# Altium PCB PCB.pcbdoc (part 6 of 6) (continued)
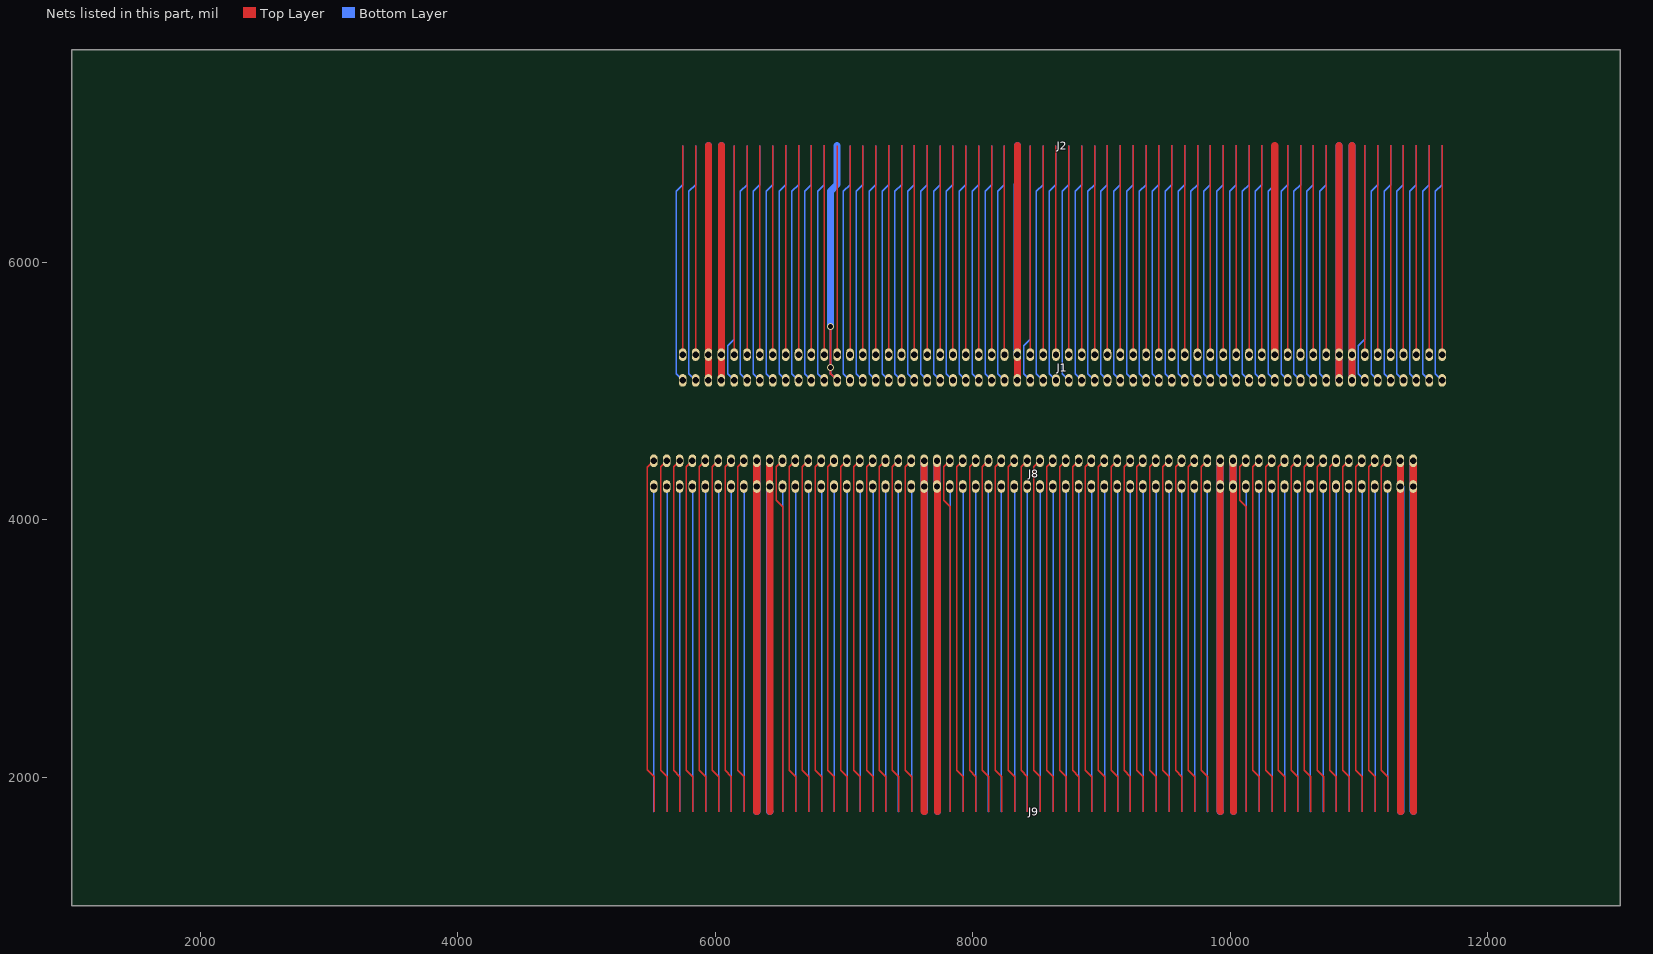
[diagram p6: the nets of this part, all layers, seen from the top]
## Nets (pads, with @x,y where several pads share a name; then routed paths per layer and width w, separated by ;. In a path a pad name is that pad's centre, name@x,y a point inside that pad or via, vN(x,y) a via of type N, cw(c..) or ccw(c..) an arc to the next point about the centre after c; other vN are vias at no path point) (continued)
EDGE_59: J1.59 J2.59 | length 1624.5
  Top Layer w10: J2.59@8746.22,6907.75 8746.22,5283.38 J1.59@8746.31,5283.28
EDGE_60: J1.60 J2.60 | length 1867.1
  Bottom Layer w10: 8746.1,6907.97 8746.1,6604.27 8695,6553.17 8695,5134.57 J1.60@8746.31,5083.28
EDGE_61: J1.61 J2.61 | length 1624.5
  Top Layer w10: J2.61@8646.22,6907.75 8646.23,5283.36 J1.61@8646.31,5283.28
EDGE_62: J1.62 J2.62 | length 1867.2
  Bottom Layer w10: 8646.2,6907.97 8646.2,6604.27 8595,6553.17 8595,5134.57 J1.62@8646.31,5083.28
EDGE_63: J1.63 J2.63 | length 1624.8
  Top Layer w10: J2.63@8546.25,6908.07 J1.63@8546.31,5283.28 J1.63@8546.31,5283.28
EDGE_64: J1.64 J2.64 | length 1867.5
  Bottom Layer w10: 8546.2,6908.27 8546.2,6604.37 8495,6553.17 8495,5134.57 J1.64@8546.31,5083.28
EDGE_65: J1.65 J2.65 | length 1624.8
  Top Layer w10: 8446.25,6908.07 8446.25,5283.35 J1.65@8446.31,5283.28
EDGE_66: J1.66 J2.66 | length 1867.5
  Bottom Layer w10: 8446.2,6908.27 8446.2,5404.37 8395,5353.17 8395,5134.57 J1.66@8446.31,5083.28
EDGE_68: J1.67 J1.68 J2.67 J2.68 | length 3650.8
  Top Layer w55.12: J1.68@8346.31,5083.28 J1.67@8346.31,5283.28 ; J1.67@8346.31,5283.28 J2.67@8346.25,6908.07
  Bottom Layer w55.12: 8346.2,6908.27 8346.2,6604.37 8345,6603.17 8345,5284.57 J1.67@8346.31,5283.28 ; J1.68@8346.31,5083.28 J1.67@8346.31,5283.28
EDGE_69: J1.69 J2.69 | length 1624.8
  Top Layer w10: J2.69@8246.25,6908.07 J1.69@8246.31,5283.28 J1.69@8246.31,5283.28
EDGE_70: J1.70 J2.70 | length 1867.5
  Bottom Layer w10: 8246.2,6908.27 8246.2,6604.37 8195,6553.17 8195,5134.57 J1.70@8246.31,5083.28
EDGE_71: J1.71 J2.71 | length 1624.8
  Top Layer w10: 8146.25,6908.07 8146.25,5283.35 J1.71@8146.31,5283.28
EDGE_72: J1.72 J2.72 | length 1867.5
  Bottom Layer w10: 8146.2,6908.27 8146.2,6604.37 8095,6553.17 8095,5134.57 J1.72@8146.31,5083.28
EDGE_73: J1.73 J2.73 | length 1624.8
  Top Layer w10: J2.73@8046.23,6908.07 8046.23,5283.36 J1.73@8046.31,5283.28
EDGE_74: J1.74 J2.74 | length 1867.5
  Bottom Layer w10: 8046.2,6908.27 8046.2,6604.27 7995,6553.17 7995,5134.57 J1.74@8046.31,5083.28
EDGE_75: J1.75 J2.75 | length 1624.8
  Top Layer w10: J2.75@7946.23,6908.07 7946.23,5283.36 J1.75@7946.31,5283.28
EDGE_76: J1.76 J2.76 | length 1867.5
  Bottom Layer w10: 7946.2,6908.27 7946.2,6604.27 7895,6553.17 7895,5134.57 J1.76@7946.31,5083.28
EDGE_77: J1.77 J2.77 | length 1624.8
  Top Layer w10: J2.77@7846.23,6908.07 7846.23,5283.36 J1.77@7846.31,5283.28
EDGE_78: J1.78 J2.78 | length 1867.5
  Bottom Layer w10: 7846.2,6908.27 7846.2,6604.27 7795,6553.17 7795,5134.57 J1.78@7846.31,5083.28
EDGE_79: J1.79 J2.79 | length 1624.8
  Top Layer w10: J2.79@7746.23,6908.07 7746.23,5283.36 J1.79@7746.31,5283.28
EDGE_80: J1.80 J2.80 | length 1867.5
  Bottom Layer w10: 7746.2,6908.27 7746.2,6604.27 7695,6553.17 7695,5134.57 J1.80@7746.31,5083.28
EDGE_81: J1.81 J2.81 | length 1625.1
  Top Layer w10: J2.81@7646.26,6908.38 J1.81@7646.31,5283.28 J1.81@7646.31,5283.28
EDGE_82: J1.82 J2.82 | length 1867.8
  Bottom Layer w10: 7646.2,6908.57 7646.2,6604.37 7595,6553.17 7595,5134.57 J1.82@7646.31,5083.28
EDGE_83: J1.83 J2.83 | length 1625.1
  Top Layer w10: J2.83@7546.26,6908.38 J1.83@7546.31,5283.28 J1.83@7546.31,5283.28
EDGE_84: J1.84 J2.84 | length 1867.8
  Bottom Layer w10: 7546.2,6908.57 7546.2,6604.37 7495,6553.17 7495,5134.57 J1.84@7546.31,5083.28
EDGE_85: J1.85 J2.85 | length 1625.1
  Top Layer w10: J2.85@7446.26,6908.38 J1.85@7446.31,5283.28 J1.85@7446.31,5283.28
EDGE_86: J1.86 J2.86 | length 1867.8
  Bottom Layer w10: 7446.2,6908.57 7446.2,6604.37 7395,6553.17 7395,5134.57 J1.86@7446.31,5083.28
EDGE_87: J1.87 J2.87 | length 1625.1
  Top Layer w10: J2.87@7346.26,6908.38 J1.87@7346.31,5283.28 J1.87@7346.31,5283.28
EDGE_88: J1.88 J2.88 | length 1867.8
  Bottom Layer w10: 7346.2,6908.57 7346.2,6604.37 7295,6553.17 7295,5134.57 J1.88@7346.31,5083.28
EDGE_89: J1.89 J2.89 | length 1624.8
  Top Layer w10: J2.89@7246.24,6908.08 7246.24,5283.35 J1.89@7246.31,5283.28
EDGE_90: J1.90 J2.90 | length 1867.5
  Bottom Layer w10: 7246.2,6908.27 7246.2,6604.37 7195,6553.17 7195,5134.57 J1.90@7246.31,5083.28
EDGE_91: J1.91 J2.91 | length 1624.8
  Top Layer w10: J2.91@7146.24,6908.08 7146.24,5283.35 J1.91@7146.31,5283.28
EDGE_92: J1.92 J2.92 | length 1867.5
  Bottom Layer w10: 7146.2,6908.27 7146.2,6604.27 7095,6553.17 7095,5134.57 J1.92@7146.31,5083.28
EDGE_93: J1.93 J2.93 | length 1624.8
  Top Layer w10: J2.93@7046.24,6908.08 7046.24,5283.35 J1.93@7046.31,5283.28
EDGE_94: J1.94 J2.94 | length 1867.5
  Bottom Layer w10: 7046.2,6908.27 7046.2,6604.37 6995,6553.17 6995,5134.57 J1.94@7046.31,5083.28
EDGE_95: J1.95 J2.95 | length 1624.8
  Top Layer w10: J2.95@6946.25,6908.08 6946.25,5283.35 J1.95@6946.31,5283.28
EDGE_96: J1.96 J2.96 | length 2308.6
  Top Layer w15.75: v1(6895.01,5503.16) v1(6895.01,5183.16) 6895,5134.57 J1.96@6946.31,5083.28
  Bottom Layer w15.75: v1(6895.01,5503.16) v1(6895.01,5183.16) 6895,5134.57 J1.96@6946.31,5083.28
  Bottom Layer w55.12: v1(6895.01,5503.16) 6895.01,6553.16 6946.18,6604.33 J2.96@6946.18,6908.24
EDGE_97: J1.97 J2.97 | length 1625.1
  Top Layer w10: J1.97@6846.31,5283.28 J2.97@6846.28,6908.39
EDGE_98: J1.98 J2.98 | length 1867.8
  Bottom Layer w10: J2.98@6846.21,6908.55 6846.2,6604.37 6795,6553.17 6795,5134.57 J1.98@6846.31,5083.28
EDGE_99: J1.99 J2.99 | length 1625.1
  Top Layer w10: J1.99@6746.31,5283.28 J2.99@6746.28,6908.39
EDGE_100: J1.100 J2.100 | length 1867.8
  Bottom Layer w10: J2.100@6746.21,6908.55 6746.2,6604.37 6695,6553.17 6695,5134.57 J1.100@6746.31,5083.28
EDGE_101: J1.101 J2.101 | length 1625.1
  Top Layer w10: J2.101@6646.28,6908.39 J1.101@6646.31,5283.28 J1.101@6646.31,5283.28
EDGE_102: J1.102 J2.102 | length 1867.8
  Bottom Layer w10: J2.102@6646.21,6908.55 6646.2,6604.37 6595,6553.17 6595,5134.57 J1.102@6646.31,5083.28
EDGE_103: J1.103 J2.103 | length 1625.1
  Top Layer w10: J1.103@6546.31,5283.28 J2.103@6546.28,6908.39
EDGE_104: J1.104 J2.104 | length 1867.8
  Bottom Layer w10: J2.104@6546.21,6908.55 6546.2,6604.37 6495,6553.17 6495,5134.57 J1.104@6546.31,5083.28
EDGE_105: J1.105 J2.105 | length 1624.2
  Top Layer w10: 6446.19,6907.45 6446.19,5283.4 J1.105@6446.31,5283.28
EDGE_106: J1.106 J2.106 | length 1866.8
  Bottom Layer w10: 6446.1,6907.67 6446.1,6604.27 6395,6553.17 6395,5134.57 J1.106@6446.31,5083.28
EDGE_107: J1.107 J2.107 | length 1624.2
  Top Layer w10: 6346.19,6907.45 6346.19,5283.4 J1.107@6346.31,5283.28
EDGE_108: J1.108 J2.108 | length 1866.8
  Bottom Layer w10: 6346.1,6907.67 6346.1,6604.27 6295,6553.17 6295,5134.57 J1.108@6346.31,5083.28
EDGE_109: J1.109 J2.109 | length 1624.2
  Top Layer w10: 6246.19,6907.45 6246.19,5283.4 J1.109@6246.31,5283.28
EDGE_110: J1.110 J2.110 | length 1866.8
  Bottom Layer w10: 6246.1,6907.67 6246.1,6604.27 6195,6553.17 6195,5134.57 J1.110@6246.31,5083.28
EDGE_111: J1.111 J2.111 | length 1624.2
  Top Layer w10: 6146.2,6907.45 6146.2,5283.4 J1.111@6146.31,5283.28
EDGE_112: J1.112 J2.112 | length 1866.8
  Bottom Layer w10: 6146.1,6907.67 6146.1,5404.27 6095,5353.17 6095,5134.57 J1.112@6146.31,5083.28
EDGE_114: J1.113 J1.114 J2.113 J2.114 | length 3649.2
  Top Layer w55.12: J2.113@6046.23,6907.76 J1.113@6046.31,5283.28 ; J1.114@6046.31,5083.28 J1.113@6046.31,5283.28
  Bottom Layer w55.12: 6046.2,6907.97 J1.113@6046.31,5283.28 ; J1.114@6046.31,5083.28 J1.113@6046.31,5283.28
EDGE_116: J1.115 J1.116 J2.115 J2.116 | length 3649.2
  Top Layer w55.12: J2.115@5946.22,6907.76 J1.115@5946.31,5283.28 ; J1.116@5946.31,5083.28 J1.115@5946.31,5283.28
  Bottom Layer w55.12: 5946.2,6907.97 J1.115@5946.31,5283.28 ; J1.116@5946.31,5083.28 J1.115@5946.31,5283.28
EDGE_117: J1.117 J2.117 | length 1624.5
  Top Layer w10: J2.117@5846.23,6907.76 5846.23,5283.36 J1.117@5846.31,5283.28
EDGE_118: J1.118 J2.118 | length 1867.2
  Bottom Layer w10: 5846.2,6907.97 5846.2,6604.27 5795,6553.17 5795,5134.57 J1.118@5846.31,5083.28
EDGE_119: J1.119 J2.119 | length 1624.6
  Top Layer w10: J1.119@5746.31,5283.28 5746.31,6907.45 J2.119@5746.62,6907.76
EDGE_120: J1.120 J2.120 | length 1867.2
  Bottom Layer w10: 5746.2,6907.97 5746.2,6604.27 5695,6553.17 5695,5134.57 J1.120@5746.31,5083.28
S$18955: 
S$19037: 
S$20470: 
S$34927: 
S$34931: 
S$34935: 
S$34939: 
S$34961: 
S$38737: 
S$43530: 
S$43534: 
S$51757: 
S$51761: 
S$95509: 
S$95534: 
S$101124: 
S$101128: 
S$101198: 
S$101202: 
S$102278: 
S$102286: 
S$102290: 
S$102300: 
S$102304: 
S$102621: 
S$108282: 
S$108380: 
S$116877: 
S$596661: 
S$1018709: 
SOCKET_01: J8.2 J9.1 | length 2769.3
  Top Layer w10: J8.2@5521.9,4459.07 5471.3,4408.47 5471.3,2056.87 5524.9,2003.27 5525,1732.97
SOCKET_02: J8.1 J9.2 | length 2574
  Bottom Layer w10: J8.1@5521.89,4212.62 J8.1@5521.89,4259.07 5521.89,1735.9 J9.2@5525,1732.79
SOCKET_03: J8.4 J9.3 | length 2766.2
  Top Layer w10: J8.4@5621.9,4459.07 5575,4412.17 5575,2053.17 5625,2003.17 J9.3@5624.96,1732.95
SOCKET_04: J8.3 J9.4 | length 2527.6
  Bottom Layer w10: J8.3@5621.9,4259.07 5625.04,4255.91 J9.4@5625.03,1732.79
SOCKET_05: J8.6 J9.5 | length 2766.2
  Top Layer w10: J8.6@5721.9,4459.07 5675,4412.17 5675,2053.17 5725,2003.17 J9.5@5724.96,1732.95
SOCKET_06: J8.5 J9.6 | length 2527.6
  Bottom Layer w10: J8.5@5721.9,4259.07 5725.04,4255.91 J9.6@5725.03,1732.79
SOCKET_07: J8.8 J9.7 | length 2766.2
  Top Layer w10: J8.8@5821.9,4459.07 5775,4412.17 5775,2053.17 5825,2003.17 J9.7@5824.96,1732.95
SOCKET_08: J8.7 J9.8 | length 2527.6
  Bottom Layer w10: J8.7@5821.9,4259.07 5825.04,4255.91 J9.8@5825.03,1732.79
SOCKET_09: J8.10 J9.9 | length 2766.2
  Top Layer w10: J8.10@5921.9,4459.07 5875,4412.17 5875,2053.17 5925,2003.17 J9.9@5924.96,1732.95
SOCKET_10: J8.9 J9.10 | length 2527.6
  Bottom Layer w10: J8.9@5921.9,4259.07 5925.03,4255.93 J9.10@5925.03,1732.79
SOCKET_11: J8.12 J9.11 | length 2766.5
  Top Layer w10: J8.12@6021.9,4459.07 5975,4412.17 5975,2053.17 6024.9,2003.27 6024.9,1732.67
SOCKET_12: J8.11 J9.12 | length 2527.9
  Bottom Layer w10: J8.11@6021.9,4259.07 6025,4255.95 J9.12@6024.99,1732.47
SOCKET_13: J8.14 J9.13 | length 2766.5
  Top Layer w10: J8.14@6121.9,4459.07 6075,4412.17 6075,2053.17 6124.9,2003.27 6124.9,1732.67
SOCKET_14: J8.13 J9.14 | length 2527.9
  Bottom Layer w10: J8.13@6121.9,4259.07 6125.01,4255.94 J9.14@6125,1732.47
SOCKET_15: J8.16 J9.15 | length 2766.5
  Top Layer w10: J8.16@6221.9,4459.07 6175,4412.17 6175,2053.17 6224.9,2003.27 6224.9,1732.67
SOCKET_16: J8.15 J9.16 | length 2527.9
  Bottom Layer w10: J8.15@6221.9,4259.07 6225.01,4255.94 J9.16@6224.99,1732.47
SOCKET_18: J8.17 J8.18 J9.17 J9.18 | length 5455.6
  Top Layer w55.12: J8.18@6321.9,4459.07 J8.17@6321.9,4259.07 6321.89,1735.67 J9.17@6324.93,1732.64
  Bottom Layer w55.12: J8.18@6321.9,4459.07 J8.17@6321.9,4259.07 6321.89,1735.58 J9.18@6324.99,1732.47
SOCKET_20: J8.19 J8.20 J9.19 J9.20 | length 5455
  Top Layer w55.12: J8.20@6421.9,4459.07 J8.19@6421.9,4259.07 6424.96,4256.01 6424.96,1732.95
  Bottom Layer w55.12: J8.20@6421.9,4459.07 J8.19@6421.9,4259.07 6421.89,1735.9 J9.20@6425.02,1732.78
SOCKET_21: J8.22 J9.21 | length 2766.2
  Top Layer w10: J8.22@6521.9,4459.07 6475,4412.17 6475,4153.17 6525,4103.17 6525,1732.97
SOCKET_22: J8.21 J9.22 | length 2527.6
  Bottom Layer w10: J8.21@6521.9,4259.07 6525.02,4255.94 J9.22@6525.02,1732.78
SOCKET_23: J8.24 J9.23 | length 2766.2
  Top Layer w10: J8.24@6621.9,4459.07 6575,4412.17 6575,2053.17 6625,2003.17 6625,1732.97
SOCKET_24: J8.23 J9.24 | length 2527.6
  Bottom Layer w10: J8.23@6621.9,4259.07 6625.05,4255.9 J9.24@6625.04,1732.78
SOCKET_25: J8.26 J9.25 | length 2766.2
  Top Layer w10: J8.26@6721.9,4459.07 6675,4412.17 6675,2053.17 6725,2003.17 6725,1732.97
SOCKET_26: J8.25 J9.26 | length 2527.6
  Bottom Layer w10: J8.25@6721.9,4259.07 6725.05,4255.9 J9.26@6725.04,1732.78
SOCKET_27: J8.28 J9.27 | length 2766.2
  Top Layer w10: J8.28@6821.9,4459.07 6775,4412.17 6775,2053.17 6825,2003.17 6825,1732.97
SOCKET_28: J8.27 J9.28 | length 2527.6
  Bottom Layer w10: J8.27@6821.9,4259.07 6825.05,4255.9 J9.28@6825.04,1732.78
SOCKET_29: J8.30 J9.29 | length 2766.2
  Top Layer w10: J8.30@6921.9,4459.07 6875,4412.17 6875,2053.17 6925,2003.17 6925,1732.97
SOCKET_30: J8.29 J9.30 | length 2527.6
  Bottom Layer w10: J8.29@6921.9,4259.07 6925.04,4255.91 J9.30@6925.04,1732.78
SOCKET_31: J8.32 J9.31 | length 2766.5
  Top Layer w10: J8.32@7021.9,4459.07 6975,4412.17 6975,2053.17 7024.9,2003.27 7024.9,1732.67
SOCKET_32: J8.31 J9.32 | length 2527.9
  Bottom Layer w10: J8.31@7021.9,4259.07 7025.01,4255.94 J9.32@7025.01,1732.46
SOCKET_33: J8.34 J9.33 | length 2766.5
  Top Layer w10: J8.34@7121.9,4459.07 7075,4412.17 7075,2053.17 7124.9,2003.27 7125,1732.67
SOCKET_34: J8.33 J9.34 | length 2527.9
  Bottom Layer w10: J8.33@7121.9,4259.07 7125.02,4255.94 J9.34@7125.01,1732.46
SOCKET_35: J8.36 J9.35 | length 2766.5
  Top Layer w10: J8.36@7221.9,4459.07 7175,4412.17 7175,2053.17 7224.9,2003.27 7225,1732.67
SOCKET_36: J8.35 J9.36 | length 2527.9
  Bottom Layer w10: J8.35@7221.9,4259.07 7225.01,4255.94 J9.36@7225.01,1732.46
SOCKET_37: J8.38 J9.37 | length 2766.5
  Top Layer w10: J8.38@7321.9,4459.07 7275,4412.17 7275,2053.17 7324.9,2003.27 7324.9,1732.67
SOCKET_38: J8.37 J9.38 | length 2527.9
  Bottom Layer w10: J8.37@7321.9,4259.07 7321.89,1735.58 J9.38@7325.01,1732.46
SOCKET_39: J8.40 J9.39 | length 2766.2
  Top Layer w10: J8.40@7421.9,4459.07 7375,4412.17 7375,2053.17 7425,2003.17 7425,1732.97
SOCKET_40: J8.39 J9.40 | length 2527.6
  Bottom Layer w10: J8.39@7421.9,4259.07 7421.89,1735.9 J9.40@7425.03,1732.77
SOCKET_41: J8.42 J9.41 | length 2766.2
  Top Layer w10: J8.42@7521.9,4459.07 7475,4412.17 7475,2053.17 7525,2003.17 7525,1732.97
SOCKET_42: J8.41 J9.42 | length 2527.6
  Bottom Layer w10: J8.41@7521.9,4259.07 7525.04,4255.91 J9.42@7525.03,1732.77
SOCKET_44: J8.43 J8.44 J9.43 J9.44 | length 5455
  Top Layer w55.12: J8.44@7621.9,4459.07 J8.43@7621.9,4259.07 7621.89,1736.01 J9.43@7624.96,1732.94
  Bottom Layer w55.12: J8.44@7621.9,4459.07 J8.43@7621.9,4259.07 7625.03,4255.93 J9.44@7625.03,1732.77
SOCKET_46: J8.45 J8.46 J9.45 J9.46 | length 5455
  Top Layer w55.12: J8.46@7721.9,4459.07 J8.45@7721.9,4259.07 7724.96,4256.01 J9.45@7724.95,1732.94
  Bottom Layer w55.12: J8.46@7721.9,4459.07 J8.45@7721.9,4259.07 7725.03,4255.93 J9.46@7725.02,1732.77
SOCKET_47: J8.48 J9.47 | length 2766.5
  Top Layer w10: J8.48@7821.9,4459.07 7775,4412.17 7775,4153.17 7824.9,4103.27 7824.9,1732.67
SOCKET_48: J8.47 J9.48 | length 2527.9
  Bottom Layer w10: J8.47@7821.9,4259.07 7825,4255.95 J9.48@7824.99,1732.46
SOCKET_49: J8.50 J9.49 | length 2766.5
  Top Layer w10: J8.50@7921.9,4459.07 7875,4412.17 7875,2053.17 7924.9,2003.27 7924.9,1732.67
SOCKET_50: J8.49 J9.50 | length 2527.9
  Bottom Layer w10: J8.49@7921.9,4259.07 7925,4255.95 J9.50@7924.99,1732.46
SOCKET_51: J8.52 J9.51 | length 2766.5
  Top Layer w10: J8.52@8021.9,4459.07 7975,4412.17 7975,2053.17 8024.9,2003.27 8024.9,1732.67
SOCKET_52: J8.51 J9.52 | length 2527.9
  Bottom Layer w10: J8.51@8021.9,4259.07 8025,4255.95 J9.52@8024.99,1732.46
SOCKET_53: J8.54 J9.53 | length 2766.5
  Top Layer w10: J8.54@8121.89,4459.07 8075,4412.17 8075,2053.17 8124.9,2003.27 8124.9,1732.67
SOCKET_54: J8.53 J9.54 | length 2527.9
  Bottom Layer w10: J8.53@8121.89,4259.07 8121.88,1735.58 J9.54@8124.99,1732.46
SOCKET_55: J8.56 J9.55 | length 2765.6
  Top Layer w10: J8.56@8221.89,4459.07 8175,4412.17 8175,2053.17 8225,2003.17 J9.55@8225.01,1733.57
SOCKET_56: J8.55 J9.56 | length 2527
  Bottom Layer w10: J8.55@8221.89,4259.07 8221.88,1736.61 J9.56@8225.08,1733.4
SOCKET_57: J8.58 J9.57 | length 2765.6
  Top Layer w10: J8.58@8321.89,4459.07 8275,4412.17 8275,2053.17 8325,2003.17 J9.57@8325.01,1733.57
SOCKET_58: J8.57 J9.58 | length 2527
  Bottom Layer w10: J8.57@8321.89,4259.07 8325.09,4255.85 J9.58@8325.08,1733.4
SOCKET_59: J8.60 J9.59 | length 2765.6
  Top Layer w10: J8.60@8421.89,4459.07 8375,4412.17 8375,2053.17 8425,2003.17 J9.59@8425.01,1733.57
SOCKET_60: J8.59 J9.60 | length 2527
  Bottom Layer w10: J8.59@8421.89,4259.07 8425.09,4255.85 J9.60@8425.08,1733.4
SOCKET_61: J8.62 J9.61 | length 2765.6
  Top Layer w10: J8.62@8521.89,4459.07 8475,4412.17 8475,2053.17 8525,2003.17 J9.61@8525.01,1733.57
SOCKET_62: J8.61 J9.62 | length 2527
  Bottom Layer w10: J8.61@8521.89,4259.07 8525.08,4255.86 J9.62@8525.08,1733.4
SOCKET_63: J8.64 J9.63 | length 2765.9
  Top Layer w10: J8.64@8621.89,4459.07 8575,4412.17 8575,2053.17 8625,2003.17 J9.63@8624.98,1733.26
SOCKET_64: J8.63 J9.64 | length 2527.3
  Bottom Layer w10: J8.63@8621.89,4259.07 8625.05,4255.9 J9.64@8625.05,1733.09
SOCKET_65: J8.66 J9.65 | length 2765.9
  Top Layer w10: J8.66@8721.89,4459.07 8675,4412.17 8675,2053.17 8725,2003.17 J9.65@8724.98,1733.26
SOCKET_66: J8.65 J9.66 | length 2527.3
  Bottom Layer w10: J8.65@8721.89,4259.07 8725.06,4255.89 8725.06,1733.09
SOCKET_67: J8.68 J9.67 | length 2765.9
  Top Layer w10: J8.68@8821.89,4459.07 8775,4412.17 8775,2053.17 8825,2003.17 J9.67@8824.98,1733.26
SOCKET_68: J8.67 J9.68 | length 2527.3
  Bottom Layer w10: J8.67@8821.89,4259.07 8825.05,4255.9 J9.68@8825.05,1733.09
SOCKET_69: J8.70 J9.69 | length 2765.9
  Top Layer w10: J8.70@8921.89,4459.07 8875,4412.17 8875,2053.17 8925,2003.17 J9.69@8924.98,1733.26
SOCKET_70: J8.69 J9.70 | length 2527.3
  Bottom Layer w10: J8.69@8921.89,4259.07 8925.05,4255.9 J9.70@8925.05,1733.09
SOCKET_71: J8.72 J9.71 | length 2765.9
  Top Layer w10: J8.72@9021.89,4459.07 8975,4412.17 8975,2053.17 9025,2003.17 J9.71@9024.98,1733.26
SOCKET_72: J8.71 J9.72 | length 2527.3
  Bottom Layer w10: J8.71@9021.89,4259.07 9025.05,4255.9 J9.72@9025.05,1733.09
SOCKET_73: J8.74 J9.73 | length 2765.9
  Top Layer w10: J8.74@9121.89,4459.07 9075,4412.17 9075,2053.17 9125,2003.17 J9.73@9125,1733.25
SOCKET_74: J8.73 J9.74 | length 2527.3
  Bottom Layer w10: J8.73@9121.89,4259.07 9125.08,4255.86 J9.74@9125.07,1733.09
SOCKET_75: J8.76 J9.75 | length 2765.9
  Top Layer w10: J8.76@9221.89,4459.07 9175,4412.17 9175,2053.17 9225,2003.17 J9.75@9225,1733.25
SOCKET_76: J8.75 J9.76 | length 2527.3
  Bottom Layer w10: J8.75@9221.89,4259.07 9225.08,4255.86 J9.76@9225.07,1733.09
SOCKET_77: J8.78 J9.77 | length 2765.9
  Top Layer w10: J8.78@9321.89,4459.07 9275,4412.17 9275,2053.17 9325,2003.17 J9.77@9325,1733.25
SOCKET_78: J8.77 J9.78 | length 2527.3
  Bottom Layer w10: J8.77@9321.89,4259.07 9325.08,4255.86 J9.78@9325.07,1733.09
SOCKET_79: J8.80 J9.79 | length 2765.9
  Top Layer w10: J8.80@9421.89,4459.07 9375,4412.17 9375,2053.17 9425,2003.17 J9.79@9425,1733.25
SOCKET_80: J8.79 J9.80 | length 2527.3
  Bottom Layer w10: J8.79@9421.89,4259.07 9425.07,4255.88 J9.80@9425.07,1733.09
SOCKET_81: J8.82 J9.81 | length 2766.2
  Top Layer w10: J8.82@9521.89,4459.07 9475,4412.17 9475,2053.17 9525,2003.17 9525,1732.97
SOCKET_82: J8.81 J9.82 | length 2527.6
  Bottom Layer w10: J8.81@9521.89,4259.07 9525.04,4255.9 J9.82@9525.04,1732.77
SOCKET_83: J8.84 J9.83 | length 2766.2
  Top Layer w10: J8.84@9621.89,4459.07 9575,4412.17 9575,2053.17 9625,2003.17 9625,1732.97
SOCKET_84: J8.83 J9.84 | length 2527.6
  Bottom Layer w10: J8.83@9621.89,4259.07 9625.05,4255.9 J9.84@9625.04,1732.77
SOCKET_85: J8.86 J9.85 | length 2766.2
  Top Layer w10: J8.86@9721.89,4459.07 9675,4412.17 9675,2053.17 9725,2003.17 9725,1732.97
SOCKET_86: J8.85 J9.86 | length 2527.6
  Bottom Layer w10: J8.85@9721.89,4259.07 9725.05,4255.9 J9.86@9725.04,1732.77
SOCKET_87: J8.88 J9.87 | length 2766.2
  Top Layer w10: J8.88@9821.89,4459.07 9775,4412.17 9775,2053.17 9825,2003.17 9825,1732.97
SOCKET_88: J8.87 J9.88 | length 2527.6
  Bottom Layer w10: J8.87@9821.89,4259.07 9821.88,1735.93 J9.88@9825.04,1732.77
SOCKET_90: J8.89 J8.90 J9.89 J9.90 | length 5454.4
  Top Layer w55.12: J8.90@9921.89,4459.07 J8.89@9921.89,4259.07 9921.88,1736.36 J9.89@9924.99,1733.25
  Bottom Layer w55.12: J8.90@9921.89,4459.07 J8.89@9921.89,4259.07 9921.88,1736.26 J9.90@9925.06,1733.08
SOCKET_92: J8.91 J8.92 J9.91 J9.92 | length 5454.4
  Top Layer w55.12: J8.92@10021.89,4459.07 J8.91@10021.89,4259.07 10025,4255.95 J9.91@10024.99,1733.25
  Bottom Layer w55.12: J8.92@10021.89,4459.07 J8.91@10021.89,4259.07 10025.07,4255.88 J9.92@10025.06,1733.08
SOCKET_93: J8.94 J9.93 | length 2765.9
  Top Layer w10: J8.94@10121.89,4459.07 10075,4412.17 10075,4153.17 10125,4103.17 10125,1733.27
SOCKET_94: J8.93 J9.94 | length 2527.3
  Bottom Layer w10: J8.93@10121.89,4259.07 10125.06,4255.89 J9.94@10125.06,1733.08
SOCKET_95: J8.96 J9.95 | length 2765.9
  Top Layer w10: J8.96@10221.89,4459.07 10175,4412.17 10175,2053.17 10225,2003.17 10225,1733.27
SOCKET_96: J8.95 J9.96 | length 2527.3
  Bottom Layer w10: J8.95@10221.89,4259.07 10225.06,4255.89 J9.96@10225.05,1733.08
SOCKET_97: J8.98 J9.97 | length 2766.2
  Top Layer w10: J8.98@10321.89,4459.07 10275,4412.17 10275,2053.17 10325,2003.17 10325,1732.97
SOCKET_98: J8.97 J9.98 | length 2527.6
  Bottom Layer w10: J8.97@10321.89,4259.07 10325.03,4255.91 J9.98@10325.02,1732.77
SOCKET_99: J8.100 J9.99 | length 2766.2
  Top Layer w10: J8.100@10421.89,4459.07 10375,4412.17 10375,2053.17 10425,2003.17 10425,1732.97
SOCKET_100: J8.99 J9.100 | length 2527.6
  Bottom Layer w10: J8.99@10421.89,4259.07 10425.03,4255.91 J9.100@10425.02,1732.77
SOCKET_101: J8.102 J9.101 | length 2766.2
  Top Layer w10: J8.102@10521.89,4459.07 10475,4412.17 10475,2053.17 10525,2003.17 10525,1732.97
SOCKET_102: J8.101 J9.102 | length 2527.6
  Bottom Layer w10: J8.101@10521.89,4259.07 10525.03,4255.91 J9.102@10525.02,1732.77
SOCKET_103: J8.104 J9.103 | length 2766.2
  Top Layer w10: J8.104@10621.89,4459.07 10575,4412.17 10575,2053.17 10625,2003.17 10625,1732.97
SOCKET_104: J8.103 J9.104 | length 2527.6
  Bottom Layer w10: J8.103@10621.89,4259.07 10621.88,1735.91 J9.104@10625.02,1732.77
SOCKET_105: J8.106 J9.105 | length 2765.4
  Top Layer w10: J8.106@10721.89,4459.07 10675,4412.17 10675,2053.17 10725.1,2003.07 J9.105@10725.04,1733.88
SOCKET_106: J8.105 J9.106 | length 2526.7
  Bottom Layer w10: J8.105@10721.89,4259.07 10721.88,1736.93 J9.106@10725.11,1733.71
SOCKET_107: J8.108 J9.107 | length 2765.4
  Top Layer w10: J8.108@10821.89,4459.07 10775,4412.17 10775,2053.17 10825.1,2003.07 J9.107@10825.04,1733.88
SOCKET_108: J8.107 J9.108 | length 2526.7
  Bottom Layer w10: J8.107@10821.89,4259.07 10825.12,4255.82 J9.108@10825.11,1733.71
SOCKET_109: J8.110 J9.109 | length 2765.4
  Top Layer w10: J8.110@10921.89,4459.07 10875,4412.17 10875,2053.17 10925.1,2003.07 J9.109@10925.04,1733.88
SOCKET_110: J8.109 J9.110 | length 2526.7
  Bottom Layer w10: J8.109@10921.89,4259.07 10925.11,4255.84 J9.110@10925.11,1733.71
SOCKET_111: J8.112 J9.111 | length 2765.3
  Top Layer w10: J8.112@11021.89,4459.07 10975,4412.17 10975,2053.17 11025,2003.17 J9.111@11025.04,1733.88
SOCKET_112: J8.111 J9.112 | length 2526.7
  Bottom Layer w10: J8.111@11021.89,4259.07 11025.11,4255.84 J9.112@11025.11,1733.71
SOCKET_113: J8.114 J9.113 | length 2765.6
  Top Layer w10: J8.114@11121.89,4459.07 11075,4412.17 11075,2053.17 11125,2003.17 J9.113@11125.01,1733.57
SOCKET_114: J8.113 J9.114 | length 2527
  Bottom Layer w10: J8.113@11121.89,4259.07 11125.08,4255.86 J9.114@11125.08,1733.4
SOCKET_115: J8.116 J9.115 | length 2765.6
  Top Layer w10: J8.116@11221.89,4459.07 11175,4412.17 11175,2053.17 11225,2003.17 J9.115@11225.01,1733.57
SOCKET_116: J8.115 J9.116 | length 2527
  Bottom Layer w10: J8.115@11221.89,4259.07 11225.08,4255.86 J9.116@11225.08,1733.4
SOCKET_118: J8.117 J8.118 J9.117 J9.118 | length 5453.8
  Top Layer w55.12: J8.118@11321.89,4459.07 J8.117@11321.89,4259.07 11321.88,1736.69 J9.117@11325.01,1733.57
  Bottom Layer w55.12: J8.118@11321.89,4459.07 J8.117@11321.89,4259.07 11325.08,4255.86 J9.118@11325.08,1733.4
SOCKET_120: J8.119 J8.120 J9.119 J9.120 | length 5453.6
  Top Layer w55.12: J8.120@11421.89,4459.07 J8.119@11421.89,4259.07 11424.62,4256.34 J9.119@11424.61,1733.57
  Bottom Layer w55.12: J8.120@11421.89,4459.07 J8.119@11421.89,4259.07 11421.88,1736.6 J9.120@11425.08,1733.4

## Keep-outs
Keep-Out Layer:
  lines w10: 1676.09,4744.23 ccw(c1676.09,4793.16) 1676.09,4842.1 ; 12369.27,4744.23 cw(c12369.27,4793.16) 12369.27,4842.1 ; 12485.63,1957.75 ccw(c12485.63,1997.12) 12525,1997.12
  lines w10 net S$102278: 5363.27,1957.75 cw(c5363.27,1879.01) 5442.01,1879.01 ; 11533.1,1879.01 cw(c11611.84,1879.01) 11611.84,1957.75
  lines w10 net S$18955: 1505.02,1997.12 ccw(c1544.38,1997.12) 1544.38,1957.75 ; 1505.02,4704.86 cw(c1544.39,4704.86) 1544.39,4744.23 ; 1505.77,4880.6 ccw(c1545.14,4880.6) 1545.14,4841.23 ; 12485.03,4744.23 cw(c12485.03,4704.86) 12524.4,4704.86 ; 12485.12,4841.23 ccw(c12485.12,4880.6) 12524.49,4880.6
  lines w10 net S$20470: 1505.61,6629.97 cw(c1565.88,6629.98) 1565.89,6690.25 ; 5594.28,6690.19 ccw(c5594.28,6750.47) 5654.55,6750.47 ; 11737.22,6750.47 ccw(c11797.49,6750.47) 11797.49,6690.19 ; 12464.34,6690.23 cw(c12464.34,6629.96) 12524.61,6629.96

## Silkscreen, mask and mechanical layers (free items; w line width, h text height)
Top Overlay:
  text "THIS SIDE SHOULD FACE TOWARD CASE REAR" at 5305.01,5283.16 h137.79 r180
  text "I/O RISER CARD - RIGHT ANGLE" at 5305.01,5183.16 h137.79 r180
  text "LISA DIAGNOSTIC KIT" at 5305.01,5083.16 h137.79 r180
  text "120" at 5435.01,4583.16 h114.17
  text "2" at 11385,4583.16 h114.17 r180
  text "LISA DIAGNOSTIC KIT" at 1625.02,4523.16 h137.79
  text "CPU RISER CARD - RIGHT ANGLE" at 1625.02,4423.16 h137.79
  text "THIS SIDE SHOULD FACE TOWARD RAM CARDS" at 1625.02,4323.16 h137.79
  text "119" at 5445.01,4063.16 h114.17 r1
  text "1" at 11395,4063.16 h114.17 r180
Bottom Overlay:
  lines w10 net S$102621: 5335,4153.17 5335,4563.17 11605,4563.17 11605,4153.17 5335,4153.17
  lines w10 net S$116877: 5565.01,4983.16 5565.01,5383.16 11825,5383.16 11825,4983.16 5565.01,4983.16
  text "119" at 5645.01,5483.16 h114.17 r179
  text "1" at 11625,5463.16 h114.17 r180
  text "THIS SIDE SHOULD FACE TOWARD CPU CARD" at 1625.02,5283.16 h137.79 r180
  text "I/O RISER CARD - RIGHT ANGLE" at 1625.02,5183.16 h137.79 r180
  text "LISA DIAGNOSTIC KIT" at 1625.02,5083.16 h137.79 r180
  text "120" at 5655.01,4963.16 h114.17 r180
  text "2" at 11615,4963.16 h114.17 r180
  text "LISA DIAGNOSTIC KIT" at 5125.02,4523.16 h137.79
  text "CPU RISER CARD - RIGHT ANGLE" at 5125.02,4423.16 h137.79
  text "THIS SIDE SHOULD FACE TOWARD I/O CARD" at 5125.02,4323.16 h137.79
Document:
  lines w0.1: 7014.99,4325.93 7015.01,4325.95

## Text inside footprints (layer, text, board x,y; h text height)
J1: Top Overlay "1" at 11675,5463.16 h114.17; Top Overlay "2" at 11675,4963.16 h114.17; Top Overlay "120" at 5815.01,4963.16 h114.17 r180; Top Overlay "119" at 5815.01,5463.16 h114.17 r181
J8: Bottom Overlay "120" at 5605.01,4589.07 h114.17; Bottom Overlay "119" at 5605.01,4059.07 h114.17 r359; Bottom Overlay "2" at 11455,4589.07 h114.17; Bottom Overlay "1" at 11445,4059.07 h114.17